# Altium PCB IMX6 DEV BOARD.PcbDoc (part 10 of 12)
Units mm, origin at the board's own origin, x right, y up, seen from the top; angles counter-clockwise.
Board outline 72.05 x 100.23 mm, 8 copper layers (Top Layer, GND 1, Inner 2, PWR 1, PWR 2, Inner 5, GND2, Bottom Layer), stack 1.463 mm thick; 691 components, 568 nets, 3028 pads, 1624 vias.
Unrouted connection lines stored in the file: 1.
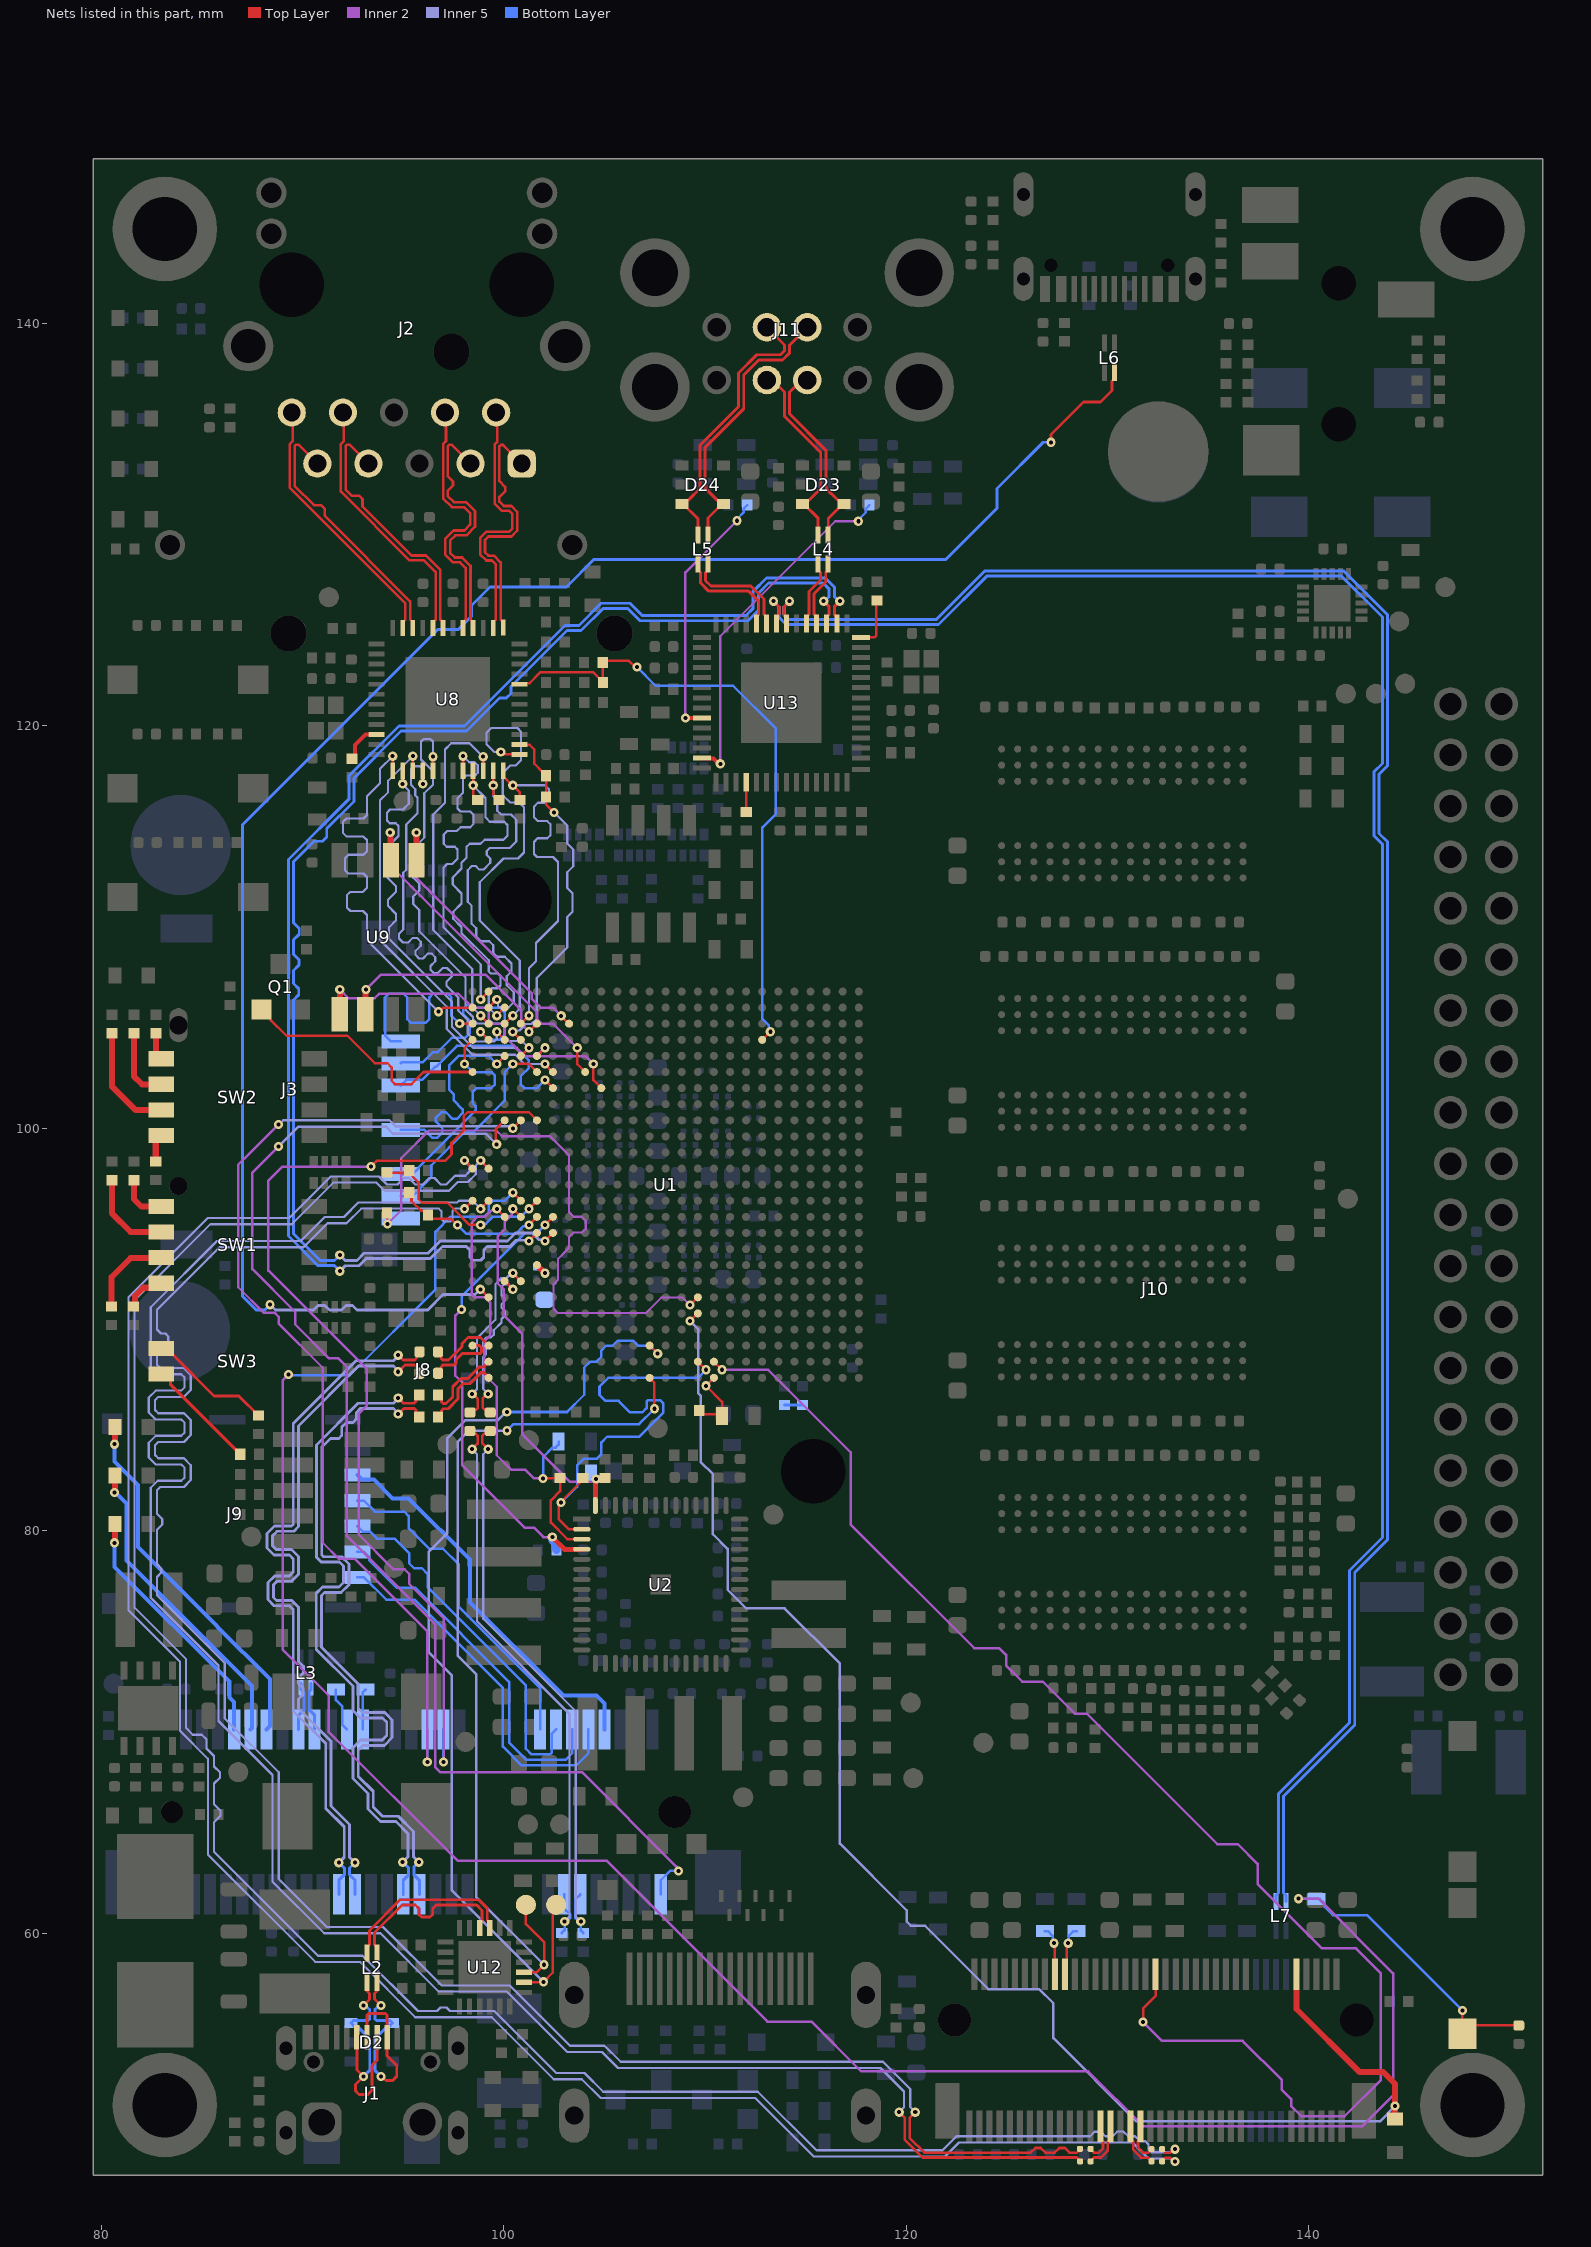
[diagram p16: the nets of this part, all layers, seen from the top]

## Via types
v1: diameter 0.46, hole 0.2, Top Layer to Bottom Layer, tented both sides, 1586 vias
v2: diameter 0.7, hole 0.4, Top Layer to Bottom Layer, 32 vias
v3: diameter 0.46, hole 0.2, Top Layer to Bottom Layer, tented bottom, 6 vias

## Nets (pads, with @x,y where several pads share a name; then routed paths per layer and width w, separated by ;. In a path a pad name is that pad's centre, name@x,y a point inside that pad or via, vN(x,y) a via of type N, cw(c..) or ccw(c..) an arc to the next point about the centre after c; other vN are vias at no path point) (continued)
NetR156_1: R156.1 U13.32 | length 1.5
  Top Layer w0.125: R156.1@112.05,115.726 U13.32@112.05,117.2
NetR159_2: R159.2 U13.56 | length 2.5
  Top Layer w0.125: U13.56@117.75,124.4 118.431,124.4 118.505,124.473 R159.2@118.505,126.155
NetR175_1: R175.1 R176.1 | length 0.9
  Bottom Layer w0.13: R176.1@113.95,86.25 R175.1@114.85,86.25
NetR179_1: R179.1 SW3.4 | length 5.7
  Top Layer w0.145: SW3.4@82.965,87.79 83.115,87.79 83.423,87.482 83.423,87.277 86.697,84.002 86.719,84.002 86.9,83.821 R179.1@86.9,83.8
NetR180_1: R180.1 SW3.3 | length 6.2
  Top Layer w0.145: SW3.3@82.965,89.06 83.273,88.753 83.547,88.753 85.6,86.7 86.825,86.7 R180.1@87.8,85.725
NetR209_1: R209.1 SW1.8 | length 2.1
  Top Layer w0.3: R209.1@81.603,91.15 81.659,91.206 81.659,91.659 82.075,92.075 82.735,92.075 SW1.8@82.965,92.305
NetR210_1: R210.1 SW2.8 | length 1.4
  Top Layer w0.3: R210.1@82.7,98.35 82.7,99.415 82.93,99.645 SW2.8@82.965,99.645
NetR211_1: R211.1 SW1.7 | length 4.3
  Top Layer w0.3: R211.1@80.5,91.157 80.5,92.6 81.456,93.556 82.946,93.556 SW1.7@82.965,93.575
NetR212_1: R212.1 SW1.6 | length 4.5
  Top Layer w0.3: R212.1@80.516,97.424 80.516,95.784 81.455,94.845 SW1.6@82.965,94.845
NetR213_1: R213.1 SW1.5 | length 2.4
  Top Layer w0.3: R213.1@81.612,97.424 81.612,96.488 81.985,96.115 SW1.5@82.965,96.115
NetR214_1: R214.1 SW2.7 | length 5.6
  Top Layer w0.3: R214.1@80.516,104.721 80.516,102.084 81.7,100.9 82.95,100.9 SW2.7@82.965,100.915
NetR215_1: R215.1 SW2.6 | length 3.7
  Top Layer w0.3: R215.1@81.612,104.721 81.612,102.588 82.015,102.185 SW2.6@82.965,102.185
NetR216_1: R216.1 SW2.5 | length 1.4
  Top Layer w0.3: R216.1@82.708,104.721 82.708,103.685 82.938,103.455 SW2.5@82.965,103.455
NVCC_PLL_OUT: C102.1 C103.1 U1.E8 | length 0.6
  Top Layer w0.3: U1.E8@101.644,93.2 101.647,93.2 102.047,92.8 v1(102.05,92.8)
ONOFF: C7.1 PB1.2 R177.2 U1.D12 | length 124.9
  Top Layer w0.125: v1(100.45,96.8) 100.45,96.797 100.844,96.403 U1.D12@100.844,96.4 ; v1(147.65,56.15) PB1.2@147.65,55 148.057,55.407 C7.1@150.45,55.407
  Inner 2 w0.125: v1(89.296,87.767) 89,87.472 89,74.1 91.3,71.8 91.3,70 97.7,63.6 105.1,63.6 113.1,55.6 115.289,55.6 117.767,53.122 129.047,53.122 131.769,50.4 142.681,50.4 144.2,51.919 144.2,58 140.488,61.712 v1(139.497,61.712)
  Bottom Layer w0.125: v1(89.296,87.767) 89.338,87.725 92.342,87.725 96.6,91.984 96.6,94.849 97.358,95.607 99.034,95.607 99.243,95.816 99.243,96.177 99.472,96.407 100.057,96.407 v1(100.45,96.8) ; v1(139.497,61.712) 140.388,61.712 R177.2@140.4,61.7 140.545,61.7 140.783,61.463 140.783,61.317 141.204,60.896 142.904,60.896 v1(147.65,56.15)
PCIe_LED_WLAN#: D18.1 J8.44 | length 15.6
  Top Layer w0.3: v1(80.65,81.9) 80.663,81.913 80.663,82.788 D18.1@80.675,82.8
  Bottom Layer w0.2: v1(80.65,81.9) 80.7,81.9 81.25,81.35 81.25,78.517 87.475,72.292 87.475,70.2 J8.44@87.4,70.125
PCIe_LED_WPAN#: D17.1 J8.46 | length 12.7
  Top Layer w0.3: v1(80.65,79.4) 80.663,79.413 80.663,80.313 D17.1@80.675,80.325
  Bottom Layer w0.2: v1(80.65,79.4) 80.65,78.2 86.353,72.497 86.353,71.842 86.367,71.827 86.367,71.708 86.6,71.475 J8.46@86.6,70.125
PCIe_LED_WWAN#: D19.1 J8.42 | length 18.3
  Top Layer w0.3: v1(80.65,84.3) 80.663,84.313 80.663,85.138 D19.1@80.675,85.15
  Bottom Layer w0.2: v1(80.65,84.3) 80.65,83.45 81.825,82.275 81.825,79.183 85.75,75.258 85.75,75.25 88.369,72.631 88.369,70.294 J8.42@88.2,70.125
PCIe_PERST#: J8.22 U1.D17 | length 51.3
  Top Layer w0.125: v1(100.45,100) 100.45,100.003 100.847,100.4 U1.D17@100.849,100.4
  Inner 2 w0.125: v1(88.797,100.194) 87.102,98.5 87.1,98.5 86.8,98.2 86.8,92.1 88.056,90.844 88.6,90.844 88.808,90.636 88.808,90.292 91,88.1 91,79.4 91.8,78.6 92.6,78.6 96.2,75 v1(96.2,68.5)
  Inner 5 w0.125: v1(88.797,100.194) 88.832,100.194 89.037,100.4 94.317,100.4 94.607,100.109 100.25,100.109 100.359,100 v1(100.45,100)
  Bottom Layer w0.125: v1(96.2,68.5) J8.22@96.2,70.125
PCIe_REFCLK_C_N: C219.2 J8.11 R133.2 | length 29.1
  Top Layer w0.13: v1(99.225,84.05) 98.938,84.337 98.938,84.725 99.022,84.81 99.174,84.81 C219.2@99.325,84.961
  Inner 5 w0.11: v1(99.225,84.05) 98.98,83.805 98.98,75.621 103.58,71.021 103.58,60.82 v1(103.825,60.575)
  Bottom Layer w0.13: J8.11@103.8,61.925 103.565,61.69 103.565,60.934 103.545,60.914 103.545,60.73 103.581,60.73 103.736,60.575 v1(103.825,60.575) 103.825,60.124 R133.2@103.95,59.999
PCIe_REFCLK_C_P: C220.2 J8.13 R134.2 | length 29.1
  Top Layer w0.13: C220.2@98.317,84.961 98.467,84.81 98.607,84.81 98.698,84.719 98.698,84.323 v1(98.425,84.05)
  Inner 5 w0.11: v1(98.425,84.05) 98.67,83.805 98.67,75.493 103.27,70.893 103.27,60.82 v1(103.025,60.575)
  Bottom Layer w0.13: R134.2@102.879,59.999 103.025,60.145 v1(103.025,60.575) 103.114,60.575 103.269,60.73 103.305,60.73 103.305,60.92 103,61.225 J8.13@103,61.925
PCIe_REFCLK_N: C219.1 U1.C7 | length 8.9
  Top Layer w0.13: v1(99.225,86.8) 99.178,86.8 98.945,86.568 98.945,86.118 99.037,86.026 99.174,86.026 C219.1@99.325,85.875 ; U1.C7@100.044,92.4 100.047,92.4 100.447,92 v1(100.45,92)
  Inner 5 w0.11: v1(99.225,86.8) 98.98,87.045 98.98,88.628 99.121,88.769 99.121,88.979 98.98,89.12 98.98,89.442 99.138,89.6 99.357,89.6 99.496,89.74 99.496,89.958 99.89,90.351 99.89,90.521 100.062,90.693 100.062,90.907 99.89,91.079 99.89,91.259 100.019,91.389 100.019,91.581 99.89,91.71 99.89,92.119 100.018,92.247 100.23,92.247 100.45,92.027 v1(100.45,92)
PCIe_REFCLK_P: C220.1 U1.D7 | length 8.9
  Top Layer w0.13: C220.1@98.317,85.875 98.467,86.026 98.622,86.026 98.705,86.109 98.705,86.556 98.461,86.8 v1(98.425,86.8) ; v1(100.45,92.8) 100.45,92.797 100.85,92.397 U1.D7@100.85,92.394
  Inner 5 w0.11: v1(98.425,86.8) 98.67,87.045 98.67,89.57 99.58,90.48 99.58,92.247 99.89,92.557 100.134,92.557 100.377,92.8 v1(100.45,92.8)
PCIe_RX_C_N: J8.23 R135.2 | length 36.3
  Top Layer w0.145: v1(94.75,85.8) 95.029,86.079 95.548,86.079 95.633,85.994 95.633,85.817 R135.2@95.8,85.65
  Inner 5 w0.14: v1(94.75,85.8) 94.75,85.829 94.511,86.067 93.852,86.067 92.868,86.068 92.682,85.882 92.682,85.561 92.497,85.376 92.176,85.376 91.941,85.141 91.941,84.723 91.801,84.583 91.383,84.583 90.955,84.155 90.955,78.787 91.037,78.705 91.947,78.705 92.3,78.352 92.3,77.316 91.916,76.931 91.091,76.931 90.943,76.783 90.943,74.209 92.765,72.387 92.765,71.168 92.974,70.959 94.082,70.959 94.448,70.593 94.448,69.713 94.065,69.331 92.993,69.331 92.765,69.103 92.765,67.791 93.509,67.048 93.509,66.271 93.976,65.804 94.753,65.804 95.508,65.049 95.508,63.793 v1(95.775,63.525)
  Bottom Layer w0.145: v1(95.775,63.525) 95.528,63.278 95.528,62.898 95.8,62.625 J8.23@95.8,61.925
PCIe_RX_C_P: J8.25 R136.2 | length 36.3
  Top Layer w0.145: v1(94.75,86.6) 95.016,86.334 95.542,86.334 95.627,86.419 95.627,86.577 R136.2@95.8,86.75
  Inner 5 w0.14: v1(94.75,86.6) 94.75,86.571 94.511,86.332 93.962,86.332 92.758,86.333 90.69,84.264 90.69,78.678 90.927,78.44 91.837,78.44 92.035,78.242 92.035,77.426 91.806,77.196 90.981,77.196 90.678,76.893 90.678,74.1 92.5,72.277 92.5,71.058 92.864,70.694 93.973,70.694 94.183,70.483 94.183,69.823 93.956,69.596 92.883,69.596 92.5,69.213 92.5,67.682 93.244,66.938 93.244,66.161 93.866,65.539 94.643,65.539 95.242,64.939 95.242,63.792 v1(94.975,63.525)
  Bottom Layer w0.145: v1(94.975,63.525) 95.273,63.228 95.273,62.898 95,62.625 J8.25@95,61.925
PCIe_RX_N: R135.1 U1.B1 | length 3.9
  Top Layer w0.145: R135.1@96.725,85.65 96.906,85.832 96.906,85.978 96.991,86.063 97.235,86.063 97.716,86.543 97.716,87.045 97.976,87.306 98.309,87.306 98.876,87.873 98.996,87.873 99.244,87.624 U1.B1@99.244,87.6
PCIe_RX_P: R136.1 U1.B2 | length 4
  Top Layer w0.145: R136.1@96.725,86.75 96.906,86.569 96.906,86.403 96.991,86.318 97.129,86.318 97.461,86.649 97.461,87.151 97.871,87.561 98.204,87.561 98.77,88.128 98.996,88.128 99.244,88.376 U1.B2@99.244,88.4
PCIe_SMB_CLK: J8.30 R18.2 | length 2
  Bottom Layer w0.125: J8.30@93,70.125 93,71.971 R18.2@93.125,72.096
PCIe_SMB_DATA: J8.32 R17.2 | length 2.2
  Bottom Layer w0.125: R17.2@91.65,72.096 91.65,71.579 91.973,71.256 91.973,70.352 J8.32@92.2,70.125
PCIe_TX_C_N: C221.2 J8.31 | length 36.8
  Top Layer w0.145: v1(94.75,87.9) 95.086,88.236 95.569,88.236 95.663,88.142 95.663,87.973 C221.2@95.811,87.825
  Inner 5 w0.14: v1(92.6,63.5) 92.333,63.768 92.333,65.392 91.415,66.31 91.415,69.535 89.795,71.155 89.795,71.634 90.021,71.86 90.021,72.174 89.795,72.4 89.795,72.695 90.042,72.942 90.042,73.258 89.795,73.505 89.795,76.193 89.458,76.53 88.701,76.53 88.549,76.683 88.549,77.313 88.721,77.485 89.446,77.485 89.795,77.834 89.795,78.715 89.449,79.06 88.692,79.06 88.498,79.254 88.498,79.75 88.718,79.969 89.558,79.969 89.795,80.206 89.795,85.209 92.766,88.18 93.882,88.18 94.524,88.18 94.75,87.954 v1(94.75,87.9)
  Bottom Layer w0.145: J8.31@92.6,61.925 92.6,62.625 92.328,62.898 92.328,63.228 v1(92.6,63.5)
PCIe_TX_C_P: C222.2 J8.33 | length 36.8
  Top Layer w0.145: v1(94.75,88.725) 94.759,88.725 94.992,88.491 95.569,88.491 95.663,88.585 95.663,88.744 C222.2@95.811,88.892
  Inner 5 w0.14: v1(91.8,63.5) 92.067,63.768 92.067,65.283 91.15,66.2 91.15,69.425 89.53,71.045 89.53,76.083 89.348,76.265 88.591,76.265 88.284,76.573 88.284,77.422 88.611,77.75 89.336,77.75 89.53,77.944 89.53,78.605 89.339,78.795 88.582,78.795 88.233,79.144 88.233,79.859 88.608,80.234 89.448,80.234 89.53,80.316 89.53,85.318 92.657,88.445 93.992,88.445 94.524,88.445 94.75,88.671 v1(94.75,88.725)
  Bottom Layer w0.145: J8.33@91.8,61.925 91.8,62.625 92.073,62.898 92.073,63.228 v1(91.8,63.5)
PCIe_TX_N: C221.1 U1.A3 | length 3.5
  Top Layer w0.145: C221.1@96.725,87.825 96.873,87.973 96.873,88.142 96.961,88.231 97.52,88.231 97.636,88.346 97.636,88.507 97.928,88.8 98.81,88.8 98.884,88.874 98.884,89.102 98.787,89.2 U1.A3@98.444,89.2
PCIe_TX_P: C222.1 U1.B3 | length 3.5
  Top Layer w0.145: C222.1@96.725,88.892 96.873,88.744 96.873,88.574 96.961,88.486 97.253,88.486 97.916,89.148 97.916,89.294 98.224,89.603 98.841,89.603 U1.B3@99.244,89.2
PCIe_UIM_CLK: J8.12 J9.C3 | length 18.1
  Bottom Layer w0.125: J9.C3@92.725,78.95 93.045,78.95 93.308,78.688 93.308,78.538 94.671,77.175 95.575,77.175 100.264,72.486 100.264,69.469 101.122,68.611 103.074,68.611 103.4,68.937 J8.12@103.4,70.125
PCIe_UIM_DATA: J8.10 J9.C7 | length 18.5
  Bottom Layer w0.125: J9.C7@92.725,77.68 93.05,77.68 94.155,76.575 95.569,76.575 99.957,72.187 99.957,69.264 100.884,68.336 103.599,68.336 104.2,68.937 J8.10@104.2,70.125
PCIe_UIM_PWR: J8.8 J9.C1 | length 19.5
  Bottom Layer w0.2: J9.C1@92.725,82.76 92.95,82.535 93.538,82.535 94.463,81.61 95.274,81.61 98.321,78.562 98.321,76.443 102.964,71.8 104.6,71.8 105,71.4 J8.8@105,70.125
PCIe_UIM_RESET: J8.14 J9.C2 | length 18.2
  Bottom Layer w0.125: J9.C2@92.725,80.22 92.988,79.958 93.342,79.958 93.693,79.607 94.573,79.607 95.294,78.886 95.294,78.382 95.544,78.132 95.929,78.132 96.21,77.852 96.21,77.201 101.1,72.31 101.1,69.162 101.376,68.886 102.302,68.886 102.376,68.96 102.376,69.901 J8.14@102.6,70.125
PCIe_UIM_VPP: J8.16 J9.C6 | length 16.6
  Bottom Layer w0.125: J9.C6@92.725,81.49 93.05,81.49 93.59,80.95 95.05,80.95 95.265,80.735 95.265,80.135 96.3,79.1 96.989,79.1 97.75,78.339 97.75,76.236 101.8,72.186 J8.16@101.8,70.125
PCIe_USB_D-_N: J8.36 L3.1 | length 2.4
  Bottom Layer w0.145: L3.1@90.425,72.4 L3.1@90.425,72.221 90.425,72.1 90.328,72.003 90.328,71.098 90.6,70.825 J8.36@90.6,70.125
PCIe_USB_D-_P: J8.38 L3.4 | length 2.4
  Bottom Layer w0.145: J8.38@89.8,70.125 89.8,70.825 90.073,71.098 90.073,71.953 89.925,72.1 L3.4@89.925,72.221 L3.4@89.925,72.4
PCIe_W_DISABLE#: J8.20 U1.E17 | length 50.5
  Top Layer w0.125: v1(93.402,98.099) 93.698,98.398 97.098,98.398 97.4,98.7 97.4,99.276 98,99.876 98,100.6 98.2,100.8 101.249,100.8 U1.E17@101.646,100.402
  Inner 2 w0.125: v1(93.402,98.099) 89.001,98.099 88.3,97.398 88.3,92.931 93.193,88.038 93.193,86.222 92.778,85.808 92.778,79.822 94.525,78.075 95.077,78.075 95.3,77.852 95.3,77.352 97.025,75.628 97.025,68.525 v1(97,68.5)
  Bottom Layer w0.125: v1(97,68.5) J8.20@97,70.125
PCIe_WAKE#: J8.1 U1.C17 | length 64.5
  Top Layer w0.125: v1(99.647,99.205) 99.606,99.246 99.606,99.963 U1.C17@100.044,100.4
  Inner 2 w0.125: v1(88.797,99.094) 87.702,98 87.7,98 87.5,97.8 87.5,93 89.634,90.866 89.634,90.252 91.316,88.57 91.781,88.57 92.2,88.151 92.2,79.744 96.6,75.344 96.6,68.233 96.833,68 103.878,68 108.566,63.312 108.566,63.299 108.683,63.181 v1(108.683,63.09)
  Inner 5 w0.125: v1(88.797,99.094) 89.787,100.085 94.137,100.085 94.497,99.725 99.128,99.725 v1(99.647,99.205)
  Bottom Layer w0.125: J8.1@107.8,61.925 107.8,62.625 108.265,63.09 v1(108.683,63.09)
PHY_JTAG_TDO: R88.2 U8.22 | length 2.1
  Top Layer w0.2: R88.2@92.463,118.304 92.604,118.445 92.604,119.054 93.126,119.576 U8.22@93.674,119.576
PMIC_ON_REQUEST: R4.1 R7.2 U1.D11 U2.56 | length 19.1
  Top Layer w0.125: v1@100.45,95.997 U1.D11@100.844,95.603
  Top Layer w0.25: v1@100.45,95.997 v1(100.45,96) ; U1.D11@100.844,95.6 U1.D11@100.844,95.603 ; U2.56@104.55,81.251 104.554,81.254 104.554,82.533 v1(104.594,82.573) 104.62,82.599 105.007,82.599 R4.1@105.033,82.625
  Inner 2 w0.125: v1(100.45,96) 100.386,95.936 100.386,95.691 100.057,95.363 100.057,94.987 99.694,94.623 99.694,92.3 100,91.994 100,90.699 100.905,89.794 100.905,84.809 103.272,82.442 104.372,82.442 104.503,82.573 v1(104.594,82.573)
PMIC_STBY_REQ: R9.2 U1.F11 U2.4 | length 23.2
  Top Layer w0.125: v1(102.05,95.2) 102.05,95.203 102.444,95.597 U1.F11@102.444,95.6
  Top Layer w0.25: v1(102.414,79.681) 103.019,79.075 U2.4@103.874,79.075
  Inner 2 w0.125: v1(97.9,91) 97.597,90.697 97.597,87.703 97.944,87.356 97.944,83.243 101.035,80.152 101.497,80.152 101.968,79.681 v1(102.414,79.681)
  Bottom Layer w0.125: v1(97.9,91) 97.9,91.636 101.057,94.793 101.642,94.793 v1(102.05,95.2)
  Bottom Layer w0.4: v1(102.414,79.681) 102.425,79.669 102.425,79.515 102.571,79.369 102.571,79.104 R9.2@102.625,79.05
POR_B: R1.1 R8.2 U1.C11 U2.3 | length 24.9
  Top Layer w0.125: v1(99.65,96) 99.65,95.997 100.044,95.603 U1.C11@100.044,95.6 ; v1(101.95,82.6) 101.963,82.613 102.788,82.613 R1.1@102.8,82.625 102.8,81.966 102.34,81.506 102.34,80.398 103.163,79.575 U2.3@103.874,79.575
  Inner 2 w0.125: v1(99.65,96) 99.586,95.936 99.403,95.936 99.074,95.607 98.702,95.607 98.394,95.3 98.394,91.77 98.565,91.6 99.062,91.6 99.338,91.324 99.338,89.738 99.034,89.434 99.034,87.77 99.647,87.156 99.647,83.75 100.359,83.038 101.053,83.038 101.492,82.6 v1(101.95,82.6)
  Bottom Layer w0.125: v1(101.95,82.6) 101.95,83.65 102.425,84.125 102.575,84.125 102.725,84.275 R8.2@102.725,84.425
PRT_1_EN: R148.1 U13.27 | length 17.6
  Top Layer w0.2: U13.27@109.85,118.4 109.875,118.375 110.433,118.375 110.689,118.119 v1(110.76,118.119)
  Inner 2 w0.125: v1(110.76,118.119) 110.76,124.46 116.475,130.175 v1(117.619,130.175)
  Bottom Layer w0.125: v1@117.619,130.157 v1(117.619,130.175) 117.619,130.241 117.992,130.614 117.992,130.792 R148.1@118.175,130.975
PRT_2_EN: R150.1 U13.23 | length 12.7
  Top Layer w0.2: v1(109.025,120.4) U13.23@109.85,120.4
  Inner 2 w0.125: v1(109.025,120.4) 109.025,127.636 v1(111.589,130.2)
  Bottom Layer w0.125: v1@111.589,130.182 111.654,130.246 111.654,130.349 111.918,130.613 111.918,130.793 R150.1@112.1,130.975
RGMII_INT: R77.1 R87.2 U1.W22 U8.44 | length 31.7
  Top Layer w0.125: U8.44@100.776,122.076 100.824,122.124 101.282,122.124 101.832,122.674 104.437,122.674 R77.1@104.915,122.196 ; R77.1@104.925,122.165 104.925,122.186 R77.1@104.915,122.196 ; v1(106.625,122.925) 106.534,122.925 106.22,123.239 104.993,123.239 R87.2@104.915,123.16 R77.1@104.915,122.196 ; U1.W22@112.844,104.4 v1(113.244,104.8)
  Bottom Layer w0.125: v1(106.625,122.925) 107.55,122 111.4,122 113.529,119.871 113.529,115.629 112.853,114.953 112.853,109.665 112.85,109.663 112.85,105.439 113.18,105.109 113.18,104.864 v1(113.244,104.8)
RGMII_RD0: R85.1 U1.C24 U8.33 | length 18.8
  Top Layer w0.125: U8.33@98.475,117.775 v1(98.475,117.05) 98.475,116.557 98.493,116.539 98.493,116.518 98.685,116.326 R85.1@98.706,116.326 ; v1(99.65,105.6) 99.65,105.603 100.044,105.997 U1.C24@100.044,106
  Inner 5 w0.11: v1(98.475,117.05) 98.475,117.025 99.085,116.415 99.085,115.459 99.304,115.24 100.021,115.24 100.179,115.082 100.179,114.54 99.985,114.346 99.046,114.346 98.844,114.144 98.303,114.144 98.14,113.981 98.14,113.44 97.9,113.2 97.9,112.912 97.457,112.469 97.457,112.116 97.9,111.672 97.9,111.171 97.487,110.758 97.487,110.42 97.9,110.007 97.9,109.7 99.25,108.35 99.25,107.8 99.35,107.7 99.703,107.7 99.832,107.571 99.832,107.099 99.692,106.958 99.398,106.958 99.25,106.81 99.25,106 v1(99.65,105.6)
RGMII_RD1: U1.B23 U8.34 | length 18
  Top Layer w0.125: v1(98.85,105.6) 98.85,105.597 99.244,105.203 U1.B23@99.244,105.2 ; U8.34@98.975,117.775 v1(98.975,118.475)
  Inner 5 w0.11: v1(98.85,105.6) 98.432,106.018 98.432,107.92 96.494,109.858 96.494,115.594 97.077,116.177 97.077,116.882 97.072,116.887 97.072,118.832 97.382,119.141 98.297,119.141 98.964,118.475 v1(98.975,118.475)
RGMII_RD2: R92.2 U1.B24 U8.35 | length 18.9
  Top Layer w0.125: U1.B24@99.244,106 99.247,106 99.647,106.4 v1(99.65,106.4) ; U8.35@99.475,117.775 v1(99.475,117.05) 99.475,116.607 99.545,116.538 99.545,116.517 99.736,116.325 R92.2@99.757,116.325
  Inner 5 w0.11: v1(99.475,117.05) 99.475,116.511 99.675,116.312 99.675,115.789 99.87,115.594 100.355,115.594 100.618,115.331 100.618,114.256 100.298,113.935 99.306,113.935 99.152,113.781 99.152,113.582 99.325,113.408 99.325,113.194 98.99,112.859 98.782,112.859 98.603,113.038 98.41,113.038 98.203,112.832 98.203,111.257 98.4,111.06 98.4,110.172 98.627,109.945 98.627,109.541 98.873,109.295 99.277,109.295 99.472,109.1 99.472,108.714 99.661,108.525 100.047,108.525 100.384,108.188 100.384,107.804 100.141,107.561 100.141,107.116 100.492,106.766 100.492,106.261 100.251,106.02 99.769,106.02 99.705,106.084 99.705,106.345 v1(99.65,106.4)
RGMII_RD3: R90.2 U1.D23 U8.36 | length 18.8
  Top Layer w0.125: U8.36@99.975,117.775 99.975,117.495 100.42,117.05 v1(100.45,117.05) 100.8,116.7 R90.2@100.8,116.325 ; U1.D23@100.844,105.2 100.847,105.2 101.247,105.6 v1(101.25,105.6)
  Inner 5 w0.11: v1(100.45,117.05) 100.455,117.055 102.041,117.055 102.246,116.851 102.246,116.374 102.054,116.182 101.693,116.182 101.5,115.989 101.5,115.679 101.5,115.6 101.5,115.466 101.696,115.27 102.161,115.27 102.317,115.114 102.317,114.566 102.165,114.414 101.676,114.414 101.496,114.234 101.496,113.64 101.65,113.486 102.445,113.486 102.697,113.234 102.697,110.304 101.6,109.207 101.6,108.3 101.25,107.95 v1(101.25,105.6)
RGMII_RX_CTL: R93.2 R208.1 U1.D22 U8.38 | length 18
  Top Layer w0.125: v1(100.444,104.8) U1.D22@100.844,104.4 ; U8.38@100.776,119.076 100.789,119.062 101.29,119.062 101.513,118.839 101.513,118.133 101.908,117.737 102.1,117.546 R93.2@102.1,117.525 102.1,116.1 v1(102.5,115.7)
  Inner 5 w0.11: v1(100.444,104.8) 100.51,104.866 100.778,104.866 101.097,105.185 101.379,105.185 101.635,105.441 101.635,107.47 103.151,108.986 103.151,110.502 103.41,110.76 103.41,111.69 103.151,111.949 103.151,112.724 103.454,113.027 103.454,113.858 103.151,114.161 103.151,115.049 v1(102.5,115.7)
RGMII_RXC: U1.B25 U8.32 | length 18
  Top Layer w0.125: U8.32@97.975,117.775 v1(97.975,118.5) ; v1(98.85,106.4) 98.85,106.406 U1.B25@99.244,106.8
  Inner 5 w0.11: v1(97.975,118.5) 98.275,118.2 98.545,118.2 98.7,118.045 98.7,117.67 98.568,117.538 98.125,117.538 97.975,117.389 97.975,116.675 97.7,116.4 97.7,115.893 97.845,115.748 98.336,115.748 98.487,115.597 98.487,115.12 98.33,114.963 97.855,114.963 97.667,114.775 97.182,114.775 97.015,114.608 97.015,114.142 97.157,114 97.557,114 97.7,113.857 97.7,113.402 97.432,113.134 97.177,113.134 97,112.957 97,110 98.85,108.15 v1(98.85,106.4)